# Altium PCB PCB_3U_CLK_DIST.PCBDOC (part 2 of 2)
Units mm, origin at the board's own origin, x right, y up, seen from the top; angles counter-clockwise.
Board outline 64.4 x 100 mm, 4 copper layers (Top, MP(G), L3, Bot), stack 1.624 mm thick; 183 components, 102 nets, 582 pads, 232 vias.
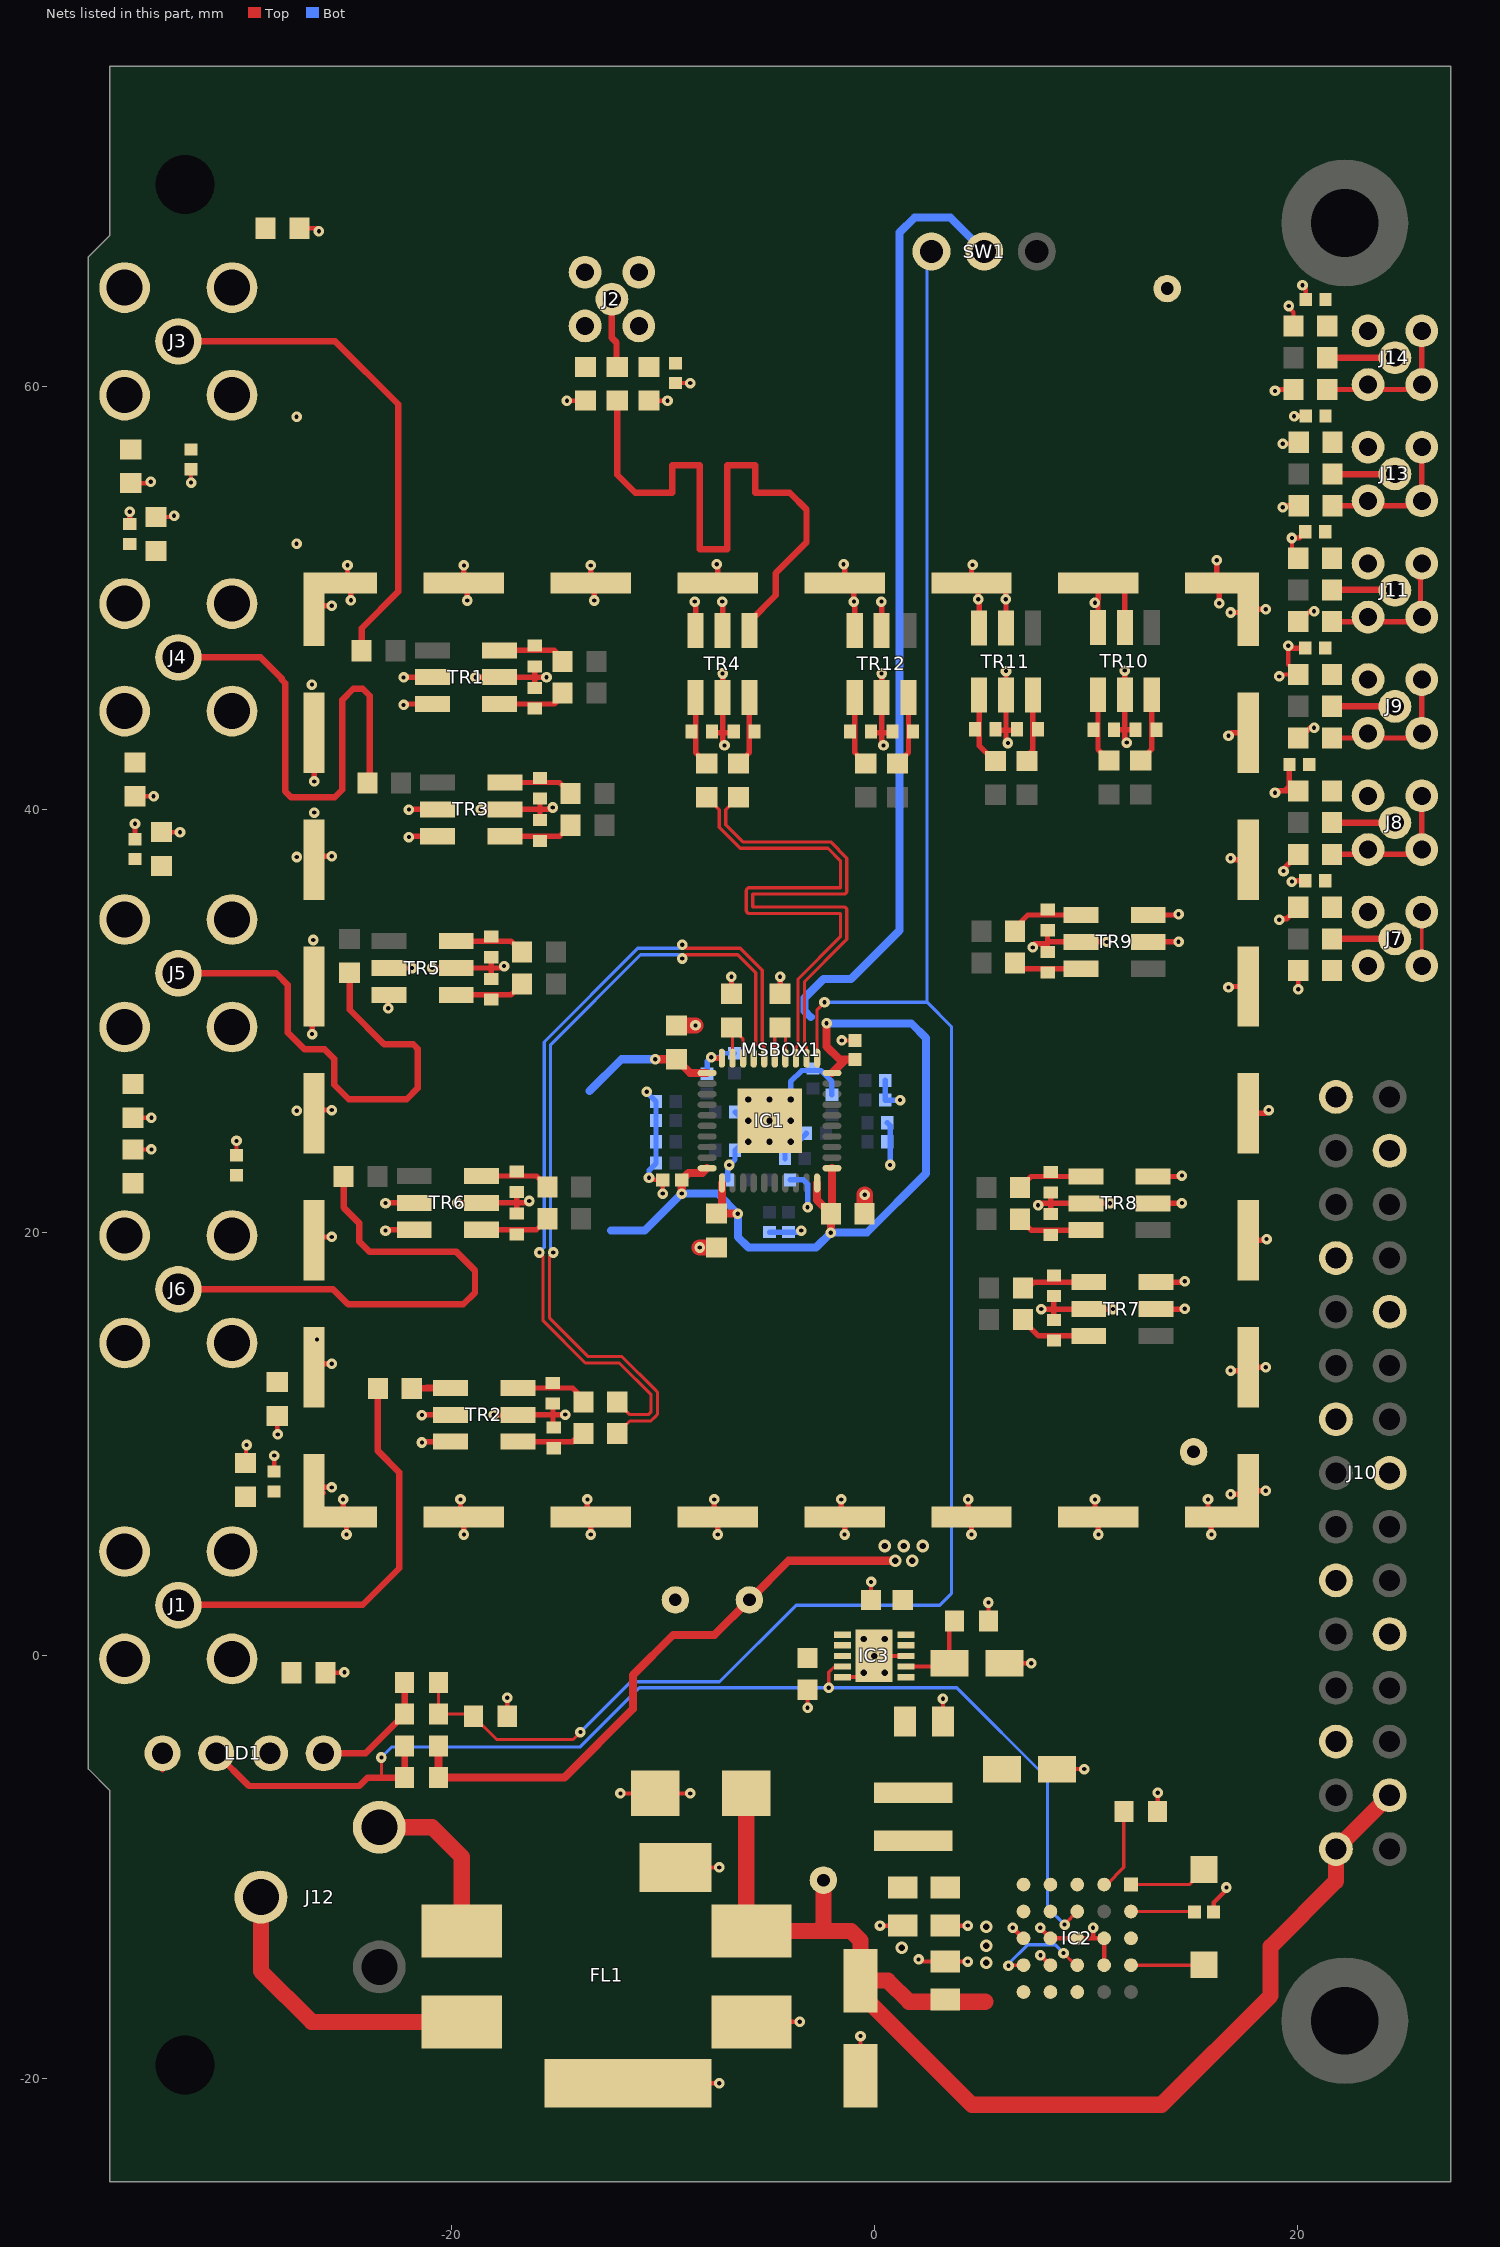
[diagram p4: the nets of this part, all layers, seen from the top]

## Via types
v1: diameter 0.5, hole 0.2, Top to Bot, tented both sides, 209 vias
v2: diameter 0.6, hole 0.3, Top to Bot, tented both sides, 23 vias

## Nets (pads, with @x,y where several pads share a name; then routed paths per layer and width w, separated by ;. In a path a pad name is that pad's centre, name@x,y a point inside that pad or via, vN(x,y) a via of type N, cw(c..) or ccw(c..) an arc to the next point about the centre after c; other vN are vias at no path point) (continued)
GND: B1.1 B2.1 B3.1 C3.1 C4.2 C6.2 C7.2 C10.2 C12.1 C13.2 C14.1 C16.2 C17.2 C19.2 C21.1 C23.1 C24.2 C26.2 C27.1 C28.1 C30.1 C32.2 C33.2 C35.1 C36.1 C39.2 C40.2 C42.1 C43.1 C44.1 C45.1 C46.1 C47.1 C48.1 C49.2 C52.1 C53.2 C56.2 C57.1 C58.1 C61.2 C62.2 C64.1 C65.1 C68.2 C69.1 C70.1 C71.1 C72.2 C73.1 C75.2 C77.1 C79.1 C80.1 C81.2 C83.2 C85.2 C86.1 C87.2 C88.1 C89.1 C92.2 C93.2 C95.1 C96.1 C99.2 C100.1 C101.2 D1.2 FL1.4 IC1.10 IC1.41 IC2.B3 IC2.B4 IC2.C3 IC2.D3 IC2.D4 IC2.E3 IC3.5 IC3.8 IC3.11 J10.1 J10.4 J10.7 J10.10 J10.13 J10.16 J10.19 J10.22 J10.25 LD1.1 LD1.3 MSBOX1.1 MSBOX1.2 MSBOX1.3 MSBOX1.4 MSBOX1.5 MSBOX1.6 MSBOX1.7 MSBOX1.8 MSBOX1.9 MSBOX1.10 MSBOX1.11 MSBOX1.12 MSBOX1.13 MSBOX1.14 MSBOX1.15 MSBOX1.16 MSBOX1.17 MSBOX1.18 MSBOX1.19 MSBOX1.20 MSBOX1.21 MSBOX1.22 MSBOX1.23 MSBOX1.24 MSBOX1.25 MSBOX1.26 MSBOX1.27 MSBOX1.28 R1.1 R2.1 R3.2 R4.2 R5.2 R6.2 R7.2 R8.2 R9.2 R11.2 R12.2 R14.1 R15.2 R17.2 R19.2 R20.2 R21.1 R22.2 R23.2 R24.2 R25.2 R26.1 R27.2 R28.2 R29.2 R30.1 R31.2 R32.1 R33.1 R34.1 R35.2 R36.1 R37.1 R38.1 R39.2 TR1.1 TR1.2 TR1.5 TR2.1 TR2.2 TR2.5 TR3.1 TR3.2 TR3.5 TR4.1 TR4.2 TR4.5 TR5.1 TR5.2 TR5.5 TR6.1 TR6.2 TR6.5 TR7.1 TR7.2 TR7.5 TR8.1 TR8.2 TR8.5 TR9.1 TR9.2 TR9.5 TR10.1 TR10.2 TR10.5 TR11.1 TR11.2 TR11.5 TR12.1 TR12.2 TR12.5 | length 239.9
  Top w0.203: C26.2@-35.15,55.448 -34.265,55.448 v1(-34.2,55.512) ; C52.1@-35.05,23.948 -34.396,23.948 v1(-34.172,23.948) ; C39.2@-35.05,25.448 v1(-34.172,25.448) ; C36.1@-34.95,40.648 -34.296,40.648 v1(-34.072,40.648) ; C33.2@-33.949,53.848 -33.296,53.848 -33.231,53.912 v1(-33.1,53.912) ; C47.1@-33.7,38.948 -33.046,38.948 v1(-32.822,38.948) ; LD1.1@-33.65,-5.415 LD1.1@-33.65,-4.69 ; v1(-32.3,55.475) R14.1@-32.3,56.105 ; R30.1@-30.15,23.67 v1(-30.15,24.35) ; C4.2@-29.705,9.365 v1@-29.705,9.821 ; R1.1@-28.37,8.595 -28.37,9.248 v1(-28.37,9.472) ; C49.2@-28.225,11.35 -28.225,10.5 v1(-28.2,10.475) ; C30.1@-27.175,67.5 -26.393,67.5 v1(-26.256,67.363) ; MSBOX1.7@-26.35,14.088 -26.35,14.741 v1(-26.35,14.965) ; MSBOX1.8@-26.18,7.555 -26.026,7.71 MSBOX1.8@-26.15,7.71 ; C7.2@-25.95,-0.797 -25.072,-0.797 v1(-25.05,-0.775) ; R6.2@-17.35,-2.85 -17.35,-2.196 v1(-17.35,-1.972) ; v1(-14.527,59.35) -14.303,59.35 C17.2@-13.65,59.35 ; v1(-12,-6.5) D1.2@-10.35,-6.5 v1(-8.7,-6.5) ; FL1.4@-11.65,-20.2 -7.546,-20.2 v1(-7.323,-20.2) ; v1(-10.65,22.61) -10.55,22.51 C46.1@-10,22.51 v1(-10,21.86) ; C13.2@-10.65,59.35 -9.996,59.35 v1(-9.773,59.35) ; FL1.4@-9.4,-10 -7.546,-10 v1(-7.323,-10) ; R2.1@-9.4,60.18 v1(-8.701,60.18) v1@-8.692,60.19 ; FL1.4@-5.8,-17.3 -3.746,-17.3 v1(-3.523,-17.3) ; v1(-3.15,-2.452) -3.15,-2.228 C99.2@-3.15,-1.6 ; v1(-1.54,29.1) C42.1@-0.9,29.1 ; IC3.5@-1.5,-1 -0.4,-1 0,-0.6 v2(0,0) IC3.8@1.5,0 ; C87.2@-0.65,-19.85 -0.65,-18.196 v1(-0.65,-17.973) ; C100.1@-0.15,2.65 -0.15,3.279 v1(-0.15,3.503) ; v1(0.273,-12.75) 0.497,-12.75 C71.1@1.35,-12.75 ; v1(2.1,-14.35) 2.2,-14.45 C69.1@3.35,-14.45 4.204,-14.45 v1(4.427,-14.45) ; C86.1@3.25,-3.1 3.25,-2.246 v1(3.25,-2.022) ; C70.1@3.35,-12.75 4.204,-12.75 v1(4.427,-12.75) ; R39.2@5.4,1.65 5.4,2.304 v1(5.4,2.528) ; C101.2@6.15,-0.35 7.204,-0.35 v1(7.427,-0.35) ; v1(6.55,-12.85) 7.05,-13.35 IC2.E3@7.06,-13.35 ; v1(7.85,-12.85) 7.85,-12.87 IC2.D3@8.33,-13.35 IC2.C3@9.6,-13.35 10.35,-13.35 ; v1(7.86,-14.15) IC2.D4@8.33,-14.62 ; C85.2@8.65,-5.35 9.704,-5.35 v1(9.927,-5.35) ; v1(10.35,-12.85) 10.35,-13.35 ; IC2.B4@10.87,-14.62 10.72,-14.62 10.87,-14.47 IC2.B3@10.87,-13.35 10.35,-13.35 ; R35.2@13.4,-7.35 13.4,-6.696 v1(13.4,-6.473) ; C80.1@16.05,-12.1 16.05,-11.654 16.65,-11.054 v1(16.65,-10.95) ; v1(19.15,46.31) 19.241,46.4 C73.1@20.05,46.4 19.578,46.873 v1(19.578,47.757) ; v1(19.32,57.31) 19.925,57.31 20.033,57.418 C83.2@20.356,57.741 ; v1(19.6,63.827) 19.6,63.754 19.82,63.534 C95.1@19.82,62.88 ; v1(19.75,52.857) 19.75,52.2 C79.1@20.05,51.9 ; v1(20.05,31.523) 20.05,31.747 C58.1@20.05,32.4 ; C75.2@20.05,48.9 20.1,48.9 20.589,49.389 v1(20.798,49.389) ; v1(20.25,64.81) 20.4,64.66 R38.1@20.4,64.13
  Top w0.254: R21.1@-35.199,53.518 v1(-35.199,54.098) ; R26.1@-34.95,38.618 v1(-34.95,39.348) ; v1(-26.575,29.4) -26.575,31.42 MSBOX1.4@-26.325,31.67 ; v1(-26.475,41.35) -26.475,43.66 MSBOX1.2@-26.325,43.81 ; MSBOX1.8@-26.325,7.968 v1(-25.65,7.968) ; MSBOX1.7@-26.325,13.81 v1(-25.65,13.81) ; MSBOX1.6@-26.325,19.81 v1(-25.65,19.81) ; MSBOX1.5@-26.325,25.81 v1(-25.65,25.81) ; MSBOX1.3@-26.325,37.81 v1(-25.65,37.81) ; MSBOX1.1@-26.325,49.653 v1(-25.65,49.653) ; v1(-25.109,7.401) -25.109,6.725 -24.95,6.565 v1(-24.95,5.741) ; v1(-24.902,51.571) -24.902,50.895 MSBOX1.1@-24.742,50.735 v1(-24.742,49.911) ; v1(-23.105,20.11) -23.065,20.15 TR6.1@-21.745,20.15 ; v1(-23.105,21.41) -23.095,21.42 TR6.2@-21.745,21.42 ; v1(-22.975,30.62) -22.975,31.29 TR5.1@-22.94,31.255 ; TR5.2@-22.94,32.525 v1(-21.85,32.525) ; v1(-22.25,44.965) -22.21,45.005 TR1.1@-20.89,45.005 ; v1(-22.25,46.265) -22.24,46.275 TR1.2@-20.89,46.275 ; v1(-22,38.715) -21.96,38.755 TR3.1@-20.64,38.755 ; v1(-22,40.015) -21.99,40.025 TR3.2@-20.64,40.025 ; v1(-21.385,10.09) -21.345,10.13 TR2.1@-20.025,10.13 ; v1(-21.385,11.39) -21.375,11.4 TR2.2@-20.025,11.4 ; v1(-20.9,32.525) -18.1,32.525 ; v1(-19.705,21.42) TR6.5@-18.565,21.42 -16.905,21.42 ; v1(-19.559,7.401) -19.559,6.725 MSBOX1.9@-19.4,6.565 v1(-19.4,5.741) ; v1(-19.4,51.56) MSBOX1.28@-19.4,50.735 -19.24,50.576 v1(-19.24,49.9) ; v1(-18.85,46.275) TR1.5@-17.71,46.275 -16.05,46.275 ; v1(-18.6,40.025) -15.8,40.025 ; C27.1@-18.1,32.015 -18.1,32.525 ; C24.2@-18.1,33.035 -18.1,32.525 ; v1(-17.985,11.4) -15.185,11.4 ; v1(-17.5,32.615) -17.49,32.615 -17.4,32.525 -18.1,32.525 ; C35.1@-16.905,20.91 -16.905,21.42 ; C32.2@-16.905,21.93 -16.905,21.42 ; v1(-16.305,21.51) -16.295,21.51 -16.205,21.42 -16.905,21.42 ; C14.1@-16.05,45.765 -16.05,46.275 ; C10.2@-16.05,46.785 -16.05,46.275 ; C21.1@-15.8,39.515 -15.8,40.025 ; C19.2@-15.8,40.535 -15.8,40.025 ; v1@-15.44,46.365 -15.493,46.312 v1(-15.493,46.275) -16.05,46.275 ; v1(-15.2,40.115) -15.19,40.115 -15.1,40.025 -15.8,40.025 ; C3.1@-15.185,10.89 -15.185,11.4 ; C6.2@-15.185,11.91 -15.185,11.4 ; v1(-14.606,11.409) -14.606,11.459 -14.575,11.49 -14.485,11.4 -15.185,11.4 ; v1(-13.559,7.401) -13.559,6.725 MSBOX1.10@-13.4,6.565 v1(-13.4,5.741) ; v1(-13.4,51.56) MSBOX1.27@-13.4,50.735 -13.24,50.576 v1(-13.24,49.9) ; v1(-8.479,49.851) -8.44,49.811 TR4.1@-8.44,48.49 ; v1(-7.7,28.31) -7.65,28.26 IC1.10@-7.2,28.26 ; C12.1@-7.68,43.65 -7.17,43.65 ; v1(-7.559,7.401) -7.559,6.725 MSBOX1.11@-7.4,6.565 v1(-7.4,5.741) ; v1(-7.45,51.61) -7.4,51.56 MSBOX1.26@-7.4,50.735 ; v1(-7.179,49.851) -7.17,49.841 TR4.2@-7.17,48.49 ; v1(-7.17,46.451) -7.17,43.65 ; v1(-7.079,43.051) -7.079,43.041 -7.17,42.95 -7.17,43.65 ; C28.1@-6.75,31.31 v1(-6.75,32.11) ; C16.2@-6.66,43.65 -7.17,43.65 ; C23.1@-4.45,31.31 v1(-4.45,32.11) ; v1(-1.559,7.401) -1.559,6.725 MSBOX1.12@-1.4,6.565 v1(-1.4,5.741) ; v1(-1.45,51.61) -1.4,51.56 MSBOX1.25@-1.4,50.735 -0.959,50.295 v1(-0.959,49.851) -0.92,49.811 TR12.1@-0.92,48.49 ; C96.1@-0.16,43.65 0.35,43.65 ; v1(0.341,49.851) 0.35,49.841 TR12.2@0.35,48.49 ; v1(0.35,46.451) 0.35,43.65 ; v1(0.441,43.051) 0.441,43.041 0.35,42.95 0.35,43.65 ; C93.2@0.86,43.65 0.35,43.65 ; v1(4.441,7.401) 4.441,6.725 MSBOX1.13@4.6,6.565 v1(4.6,5.741) ; v1(4.65,51.585) 4.6,51.535 MSBOX1.24@4.6,50.735 ; TR11.1@4.96,48.605 4.96,49.926 v1(4.921,49.966) 4.921,50.415 MSBOX1.24@4.6,50.735 ; C88.1@5.72,43.765 6.23,43.765 ; v1(6.23,46.566) 6.23,43.765 ; TR11.2@6.23,48.605 6.23,49.956 v1(6.221,49.966) 6.221,50.54 6.025,50.735 MSBOX1.24@4.6,50.735 ; v1(6.321,43.166) 6.321,43.156 6.23,43.065 6.23,43.765 ; C81.2@6.74,43.765 6.23,43.765 ; v1(7.5,33.5) 7.581,33.581 7.581,33.67 8.19,33.67 C62.2@8.19,33.25 ; v1(7.75,21.31) 7.741,21.31 7.65,21.4 8.35,21.4 ; v1(7.9,16.4) 7.9,16.335 7.876,16.31 7.785,16.4 8.485,16.4 ; C65.1@8.19,34.27 8.19,33.76 v1(10.991,33.76) ; C53.2@8.35,20.89 8.35,21.4 ; C57.1@8.35,21.91 8.35,21.4 ; C40.2@8.485,15.89 8.485,16.4 ; C48.1@8.485,16.91 8.485,16.4 ; v1(10.435,49.8) v1@10.58,49.946 ; v1(10.441,7.401) 10.441,6.725 MSBOX1.14@10.6,6.565 v1(10.6,5.741) ; TR10.1@10.58,48.625 v1@10.58,49.946 ; v1(11.15,21.4) TR8.5@10.01,21.4 8.35,21.4 ; v1(11.285,16.4) TR7.5@10.145,16.4 8.485,16.4 ; C77.1@11.34,43.785 11.85,43.785 ; v1(11.85,46.586) TR10.5@11.85,45.445 11.85,43.785 ; TR10.2@11.85,48.625 11.85,50.45 11.565,50.735 MSBOX1.23@10.6,50.735 10.6,49.966 v1@10.58,49.946 ; v1(11.941,43.186) 11.941,43.176 11.85,43.085 11.85,43.785 ; C72.2@12.36,43.785 11.85,43.785 ; TR9.2@13.03,33.76 14.381,33.76 v1(14.391,33.77) ; TR9.1@13.03,35.03 14.351,35.03 v1(14.391,35.07) ; TR8.2@13.19,21.4 14.541,21.4 v1(14.55,21.41) ; TR8.1@13.19,22.67 14.511,22.67 v1(14.55,22.71) ; TR7.2@13.325,16.4 14.676,16.4 v1(14.685,16.41) ; TR7.1@13.325,17.67 14.646,17.67 v1(14.685,17.71) ; v1(15.783,7.401) 15.783,6.725 MSBOX1.15@15.943,6.565 v1(15.943,5.741) ; v1(16.2,51.8) 16.2,50.66 16.15,50.61 16.31,50.45 v1(16.31,49.775) ; v1(16.75,31.61) 16.791,31.65 MSBOX1.19@17.685,31.65 ; v1(16.75,43.51) 16.891,43.65 MSBOX1.21@17.685,43.65 ; v1(16.85,7.648) 17.526,7.648 MSBOX1.15@17.685,7.808 v1(18.51,7.808) ; v1(16.85,13.491) 17.526,13.491 MSBOX1.16@17.685,13.65 v1(18.51,13.65) ; v1(16.85,37.71) 16.91,37.65 MSBOX1.20@17.685,37.65 ; v1(16.85,49.333) 17.526,49.333 MSBOX1.22@17.685,49.493 v1(18.51,49.493) ; MSBOX1.17@17.685,19.65 18.491,19.65 v1(18.55,19.71) ; MSBOX1.18@17.685,25.65 18.491,25.65 v1(18.65,25.81) ; v1(18.95,40.81) 19.041,40.9 19.39,40.9 ; v1(18.95,59.81) 19.021,59.88 C92.2@19.82,59.88 ; v1(19.15,34.81) 19.201,34.861 19.511,34.861 C56.2@20.05,35.4 ; v1(19.32,54.31) 19.39,54.38 C89.1@20.07,54.38 ; v1(19.35,37.11) 19.35,37.201 C61.2@20.05,37.9 ; v1(19.578,47.757) 19.685,47.65 R34.1@20.38,47.65 ; R33.1@19.63,42.15 19.63,41.14 19.39,40.9 ; v1(19.75,36.61) 19.791,36.65 R32.1@20.38,36.65 ; v1(19.75,52.857) 20.087,52.857 R36.1@20.38,53.15 ; v1(19.85,58.61) 19.871,58.63 R37.1@20.4,58.63 ; C64.1@20.05,40.9 19.39,40.9 ; C68.2@20.05,43.4 20.136,43.4 20.624,43.889 v1(20.798,43.889)
  Top w0.762: C45.1@-9.35,29.81 v1(-8.45,29.81) ; v1(-8.25,19.31) C43.1@-7.45,19.31 ; C44.1@-0.45,20.91 v1(-0.45,21.81)
  Bot w0.203: v1(-7.7,28.31) -7.335,28.31 -7.15,28.495 R31.2@-6.6,28.495
  Bot w0.254: v1(-10.76,26.67) -10.76,26.65 R28.2@-10.32,26.21 R27.2@-10.32,25.31 R23.2@-10.32,24.31 R22.2@-10.32,23.31 -10.32,23.29 -10.65,22.96 v1(-10.65,22.61) ; R29.2@-7.9,27.53 -7.9,28.11 v1(-7.7,28.31) ; R20.2@-6.92,22.51 -6.92,23.14 v1(-6.85,23.21) -6.58,23.48 R24.2@-6.58,23.91 -6.18,24.31 v2(-5.95,24.31) ; R25.2@-6.35,25.71 R25.2@-6.58,25.71 -6.18,25.31 v2(-5.95,25.31) ; R17.2@-4.95,20.04 R15.2@-4.05,20.04 -3.52,20.04 v1(-3.45,20.11) ; R12.2@-4.22,23.51 -4.22,24.04 v2(-3.95,24.31) -3.59,24.31 -3.22,24.68 R11.2@-3.22,24.71 ; R19.2@-3.98,22.51 -3.349,22.51 -3.15,22.31 v1(-3.15,21.21) ; v2(-3.95,26.31) -3.95,27.15 -3.42,27.68 -2.52,27.68 -2,27.16 R7.2@-2,26.53 ; R3.2@0.52,27.21 R4.2@0.52,26.282 v1(1.222,26.282) ; R8.2@0.62,25.21 0.75,25.08 v1(0.75,23.21)
  other v1: -29.675,9.975 -27.3,25.775 -26.525,33.85 -27.3,37.775 -26.475,39.875 -26.585,45.925 -27.309,52.588 -27.309,58.588
  other v2: 5.3,-14.5 1.3,-13.8 5.3,-13.7 5.3,-12.8 -0.5,-0.8 0.5,-0.8 -0.5,0.8 0.5,0.8 -4.95,24.31 -4.95,25.31 -3.95,25.31 -5.95,26.31 -4.95,26.31
GND0: C26.1 C30.2 J3.2 R14.2
GND1: C33.1 C36.2 J4.2 R21.2
GND2: C39.1 C47.2 J5.2 R26.2
GND3: C49.1 C52.2 J6.2 R30.2
GND4: C56.1 C58.2 J7.2 R32.2 | length 2.5
  Top w0.152: J7.2@25.89,32.63 J7.2@25.89,35.17
GND5: C61.1 C64.2 J8.2 R33.2 | length 6.9
  Top w0.254: C61.1@21.65,37.9 25.664,37.9 J8.2@25.89,38.126 J8.2@25.89,40.666
GND6: C68.1 C73.2 J9.2 R34.2 | length 6.9
  Top w0.254: C68.1@21.65,43.4 25.668,43.4 J9.2@25.89,43.622 J9.2@25.89,46.162
GND7: C75.1 C79.2 J11.2 R36.2 | length 7
  Top w0.254: C75.1@21.65,48.9 25.672,48.9 25.827,49.055 25.827,50.988 25.728,50.988 25.89,51.15 J11.2@25.89,51.658
GND8: C83.1 C89.2 J13.2 R37.2 | length 6.9
  Top w0.254: C89.2@21.67,54.38 25.656,54.38 J13.2@25.89,54.614 J13.2@25.89,57.154
GND9: C92.1 C95.2 J14.2 R38.2 | length 7.1
  Top w0.254: C92.1@21.42,59.88 25.66,59.88 J14.2@25.89,60.11 J14.2@25.89,62.65
GND10: C4.1 C7.1 J1.2 R1.2
GND11: C13.1 C17.1 J2.2 R2.2
IN_CLK0_N: C9.2 IC1.3 | length 27
  Top w0.152: C9.2@-7.92,40.6 -7.322,40.003 -7.322,39.174 -6.333,38.184 -2.184,38.184 -1.6,37.6 -1.6,36.324 -5.896,36.324 ccw(c-5.896,36.172) -6.048,36.172 -6.048,35.257 ccw(c-5.896,35.257) -5.896,35.105 -1.6,35.105 -1.6,34 -3.602,31.998 -3.602,28.884 -3.7,28.787 IC1.3@-3.7,28.26
IN_CLK0_P: C15.2 IC1.2 | length 27
  Top w0.152: C15.2@-6.42,40.6 -7.017,40.003 -7.017,39.3 -6.206,38.489 -2.058,38.489 -1.969,38.4 -1.384,37.816 -1.295,37.726 -1.295,36.172 cw(c-1.448,36.172) -1.448,36.019 -5.743,36.019 -5.743,35.41 -1.448,35.41 cw(c-1.448,35.257) -1.295,35.257 -1.295,33.874 -1.384,33.784 -3.297,31.872 -3.297,28.884 -3.2,28.787 IC1.2@-3.2,28.26
IN_CLK1_N: C2.2 IC1.7 | length 39
  Top w0.152: v1(-15.175,19.075) -15.349,18.901 -15.349,15.975 -13.529,14.155 -11.924,14.155 -10.334,12.566 -10.245,12.476 -10.245,11.424 -10.334,11.334 -10.561,11.108 -11.552,11.108 C2.2@-12.15,10.51 ; v1(-9.075,32.976) -8.901,33.15 -6.452,33.15 -5.602,32.3 -5.602,28.884 -5.7,28.787 IC1.7@-5.7,28.26
  Bot w0.152: v1(-15.175,19.075) -15.3,19.2 -15.3,28.9 -11.05,33.15 -9.249,33.15 v1(-9.075,32.976)
IN_CLK1_P: C5.2 IC1.6 | length 39.5
  Top w0.152: v1(-15.827,19.075) -15.654,18.901 -15.654,15.849 -13.655,13.85 -12.05,13.85 -10.55,12.35 -10.55,11.55 -10.688,11.412 -11.552,11.412 C5.2@-12.15,12.01 ; v1(-9.075,33.629) -8.901,33.455 -6.326,33.455 -5.297,32.426 -5.297,28.884 -5.2,28.787 IC1.6@-5.2,28.26
  Bot w0.152: v1(-15.827,19.075) -15.827,19.099 -15.605,19.322 -15.605,29.026 -11.176,33.455 -9.249,33.455 v1(-9.075,33.629)
INPUT_GND: FL1.3 J12.1 | length 14
  Top w0.762: J12.1@-29,-11.4 -29,-14.9 -26.599,-17.3 FL1.3@-19.5,-17.3
NetC1_1: C1.1 J1.1 | length 20.1
  Top w0.305: J1.1@-32.9,2.425 -24.175,2.425 -22.45,4.15 -22.45,8.675 -23.465,9.69 C1.1@-23.465,12.65
NetC1_2: C1.2 TR2.3 | length 3
  Top w0.305: C1.2@-21.865,12.65 -20.045,12.65 TR2.3@-20.025,12.67 -21.165,12.67
NetC2_1: C2.1 C3.2 TR2.6 | length 3.3
  Top w0.254: TR2.6@-16.845,10.13 -14.255,10.13 C2.1@-13.735,10.65
NetC5_1: C5.1 C6.1 TR2.4 | length 3.3
  Top w0.254: TR2.4@-16.845,12.67 -14.255,12.67 C5.1@-13.735,12.15
NetC8_1: C8.1 J2.1 | length 3.3
  Top w0.305: J2.1@-12.4,64.151 -12.4,62.316 -12.184,62.1 -12.184,60.985 C8.1@-12.15,60.95
NetC8_2: C8.2 TR4.3 | length 30.5
  Top w0.305: C8.2@-12.15,59.35 -12.15,55.85 -11.3,55 -9.548,55 -9.548,56.295 -8.243,56.295 -8.243,52.318 -6.938,52.318 -6.938,56.295 -5.633,56.295 -5.633,55 -4,55 -3.2,54.2 -3.2,52.65 -4.65,51.2 -4.65,50.15 -5.9,48.9 TR4.3@-5.9,48.49
NetC9_1: C9.1 C12.2 TR4.6 | length 3.3
  Top w0.254: TR4.6@-8.44,45.31 -8.44,42.72 C9.1@-7.92,42.2
NetC10_1: C10.1 C11.1 TR1.4 | length 3.3
  Top w0.254: TR1.4@-17.71,47.545 -15.12,47.545 C11.1@-14.6,47.025
NetC14_2: C14.2 C18.1 TR1.6 | length 3.3
  Top w0.254: TR1.6@-17.71,45.005 -15.12,45.005 C18.1@-14.6,45.525
NetC15_1: C15.1 C16.1 TR4.4 | length 3.3
  Top w0.254: C15.1@-6.42,42.2 -5.9,42.72 TR4.4@-5.9,45.31
NetC19_1: C19.1 C20.1 TR3.4 | length 3.3
  Top w0.254: TR3.4@-17.46,41.295 -14.87,41.295 C20.1@-14.35,40.775
NetC21_2: C21.2 C22.1 TR3.6 | length 3.3
  Top w0.254: TR3.6@-17.46,38.755 -14.87,38.755 C22.1@-14.35,39.275
NetC23_2: C23.2 IC1.4 IC1.5 | length 3.1
  Top w0.152: IC1.5@-4.7,28.26 -4.7,29.46 C23.2@-4.45,29.71 -4.2,29.46 IC1.4@-4.2,28.26
NetC24_1: C24.1 C25.1 TR5.4 | length 3.3
  Top w0.254: TR5.4@-19.76,33.795 -17.17,33.795 C25.1@-16.65,33.275
NetC27_2: C27.2 C29.1 TR5.6 | length 3.3
  Top w0.254: TR5.6@-19.76,31.255 -17.17,31.255 C29.1@-16.65,31.775
NetC28_2: C28.2 IC1.8 IC1.9 | length 3.1
  Top w0.152: C28.2@-6.75,29.71 C28.2@-6.7,29.66 ; IC1.9@-6.7,28.26 C28.2@-6.7,29.66 ; IC1.8@-6.2,28.26 -6.2,29.16 C28.2@-6.7,29.66
NetC31_1: C31.1 J3.1 | length 24
  Top w0.305: J3.1@-32.9,62.15 -25.475,62.15 -22.5,59.175 -22.5,50.325 -24.235,48.59 C31.1@-24.235,47.525
NetC32_1: C32.1 C34.1 TR6.4 | length 3.3
  Top w0.254: TR6.4@-18.565,22.69 -15.975,22.69 C34.1@-15.455,22.17
NetC35_2: C35.2 C37.1 TR6.6 | length 3.3
  Top w0.254: TR6.6@-18.565,20.15 -15.975,20.15 C37.1@-15.455,20.67
NetC38_1: C38.1 J4.1 | length 23.7
  Top w0.305: J4.1@-32.9,47.213 -29.015,47.213 -28.017,46.215 -28.017,46.155 -27.85,45.988 -27.85,40.875 -27.575,40.6 -25.5,40.6 -25.15,40.95 -25.15,45.2 -24.625,45.725 -24.175,45.725 -23.85,45.4 -23.85,41.39 C38.1@-23.965,41.275
NetC40_1: C40.1 C41.1 TR7.4 | length 3.3
  Top w0.254: C41.1@7.035,15.65 7.25,15.65 7.77,15.13 TR7.4@10.145,15.13
NetC48_2: C48.2 C51.1 TR7.6 | length 3.3
  Top w0.254: C51.1@7.035,17.15 7.555,17.67 TR7.6@10.145,17.67
NetC50_1: C50.1 J5.1 | length 23.6
  Top w0.305: J5.1@-32.9,32.275 -28.275,32.275 -27.725,31.725 -27.725,29.475 -26.925,28.675 -25.975,28.675 -25.525,28.225 -25.525,27 -24.85,26.325 -22.1,26.325 -21.575,26.85 -21.575,28.7 -21.8,28.925 -23.175,28.925 -24.8,30.55 C50.1@-24.8,32.3
NetC53_1: C53.1 C54.1 TR8.4 | length 3.3
  Top w0.254: C54.1@6.9,20.65 7.42,20.13 TR8.4@10.01,20.13
NetC55_1: C55.1 J6.1 | length 25
  Top w0.305: J6.1@-32.9,17.338 -25.588,17.338 -24.875,16.625 -19.425,16.625 -18.875,17.175 -18.875,18.225 -19.75,19.1 -23.855,19.1 -24.355,19.6 -24.355,20.47 -25.09,21.205 C55.1@-25.09,22.67
NetC57_2: C57.2 C59.1 TR8.6 | length 3.3
  Top w0.254: C59.1@6.9,22.15 7.42,22.67 TR8.6@10.01,22.67
NetC60_1: C60.1 J7.1 | length 3
  Top w0.305: C60.1@21.65,33.9 J7.1@24.6,33.9
NetC62_1: C62.1 C63.1 TR9.4 | length 3.6
  Top w0.254: C63.1@6.74,33.01 6.74,32.49 TR9.4@9.85,32.49
NetC65_2: C65.2 C66.1 TR9.6 | length 3.3
  Top w0.254: C66.1@6.74,34.51 7.26,35.03 TR9.6@9.85,35.03
NetC67_1: C67.1 J8.1 | length 2.9
  Top w0.305: C67.1@21.65,39.4 J8.1@24.6,39.4
NetC70_2: C70.2 C71.2 IC2.C1 IC2.D1 IC2.D2 IC2.E1 IC2.E2 L1.2
NetC72_1: C72.1 C74.1 TR10.4 | length 3.3
  Top w0.254: C74.1@12.6,42.335 13.12,42.855 TR10.4@13.12,45.445
NetC76_1: C76.1 J9.1 | length 3
  Top w0.305: C76.1@21.65,44.9 J9.1@24.6,44.9
NetC77_2: C77.2 C78.1 TR10.6 | length 3.3
  Top w0.254: TR10.6@10.58,45.445 10.58,42.855 C78.1@11.1,42.335
NetC80_2: C80.2 IC2.A2 | length 3
  Top w0.152: IC2.A2@12.14,-12.08 15.13,-12.08 C80.2@15.15,-12.1
NetC81_1: C81.1 C84.1 TR11.4 | length 3.3
  Top w0.254: C84.1@6.98,42.315 7.5,42.835 TR11.4@7.5,45.425
NetC82_1: C82.1 J11.1 | length 3
  Top w0.305: C82.1@21.65,50.4 J11.1@24.6,50.4
NetC88_2: C88.2 C90.1 TR11.6 | length 3.3
  Top w0.254: TR11.6@4.96,45.425 4.96,43.04 5.48,42.52 C90.1@5.48,42.315
NetC91_1: C91.1 J13.1 | length 3
  Top w0.305: C91.1@21.67,55.88 J13.1@24.62,55.88
NetC93_1: C93.1 C94.1 TR12.4 | length 3.3
  Top w0.254: C94.1@1.1,42.2 1.62,42.72 TR12.4@1.62,45.31
NetC96_2: C96.2 C98.1 TR12.6 | length 3.3
  Top w0.254: TR12.6@-0.92,45.31 -0.92,42.72 C98.1@-0.4,42.2
NetC97_1: C97.1 J14.1 | length 3.2
  Top w0.305: C97.1@21.42,61.38 J14.1@24.62,61.38
NetC101_1: C101.1 IC3.7 R39.1 | length 4.2
  Top w0.203: IC3.7@1.5,-0.5 3.4,-0.5 C101.1@3.55,-0.35 3.55,1.4 R39.1@3.8,1.65
NetFL1_1: FL1.1 J12.3 | length 8
  Top w0.762: J12.3@-23.4,-8.1 -20.9,-8.1 -19.5,-9.499 FL1.1@-19.5,-13
NetIC1_1: IC1.1 R6.1 R10.2 R13.2 SW1.3 | length 100.8
  Top w0.152: R10.2@-20.6,-1.25 R13.2@-20.6,-2.75 -19.05,-2.75 R6.1@-18.95,-2.85 -17.85,-3.95 -14.239,-3.95 v1(-13.889,-3.6) ; IC1.1@-2.7,28.26 -2.703,28.264 -2.703,30.557 v1(-2.35,30.91)
  Bot w0.152: v1(-13.889,-3.6) -11.51,-1.221 -7.313,-1.221 -3.692,2.4 3.1,2.4 3.65,2.951 3.65,29.76 2.5,30.91 ; v1(-2.35,30.91) 2.5,30.91 ; SW1.3@2.711,66.4 2.5,66.19 2.5,30.91
NetIC2_A1: IC2.A1 TP2.1 | length 3.8
  Top w0.152: IC2.A1@12.14,-10.81 14.89,-10.81 TP2.1@15.6,-10.1
NetIC2_A4: IC2.A4 TP1.1 | length 3.5
  Top w0.152: IC2.A4@12.14,-14.62 15.58,-14.62 TP1.1@15.6,-14.6
NetIC2_B1: IC2.B1 R35.1 | length 3.9
  Top w0.152: IC2.B1@10.87,-10.81 10.99,-10.81 11.8,-10 R35.1@11.8,-7.35
NetIC2_C4: IC2.C4 IC2.E4 | length 4.8
  Top w0.152: v1(6.35,-14.65) 6.38,-14.62 IC2.E4@7.06,-14.62 ; v1(8.95,-14.05) 9.52,-14.62 IC2.C4@9.6,-14.62
  Bot w0.152: v1(6.35,-14.65) 6.35,-14.55 7.25,-13.65 8.55,-13.65 v1(8.95,-14.05)
NetLD1_4: LD1.4 R10.1 R13.1 | length 6.1
  Top w0.305: LD1.4@-26.03,-4.6 -24.05,-4.6 R13.1@-22.2,-2.75 R10.1@-22.2,-1.25
P3V3: B4.1 C42.2 C43.2 C44.2 C45.2 C46.2 C100.2 IC1.11 IC1.20 IC1.21 IC1.30 IC1.31 IC1.40 IC3.9 IC3.10 R16.2 R18.2 SW1.2 | length 122.7
  Top w0.381: R16.2@-20.6,-4.25 R18.2@-20.6,-5.75 -14.65,-5.75 -11.4,-2.5 -11.4,-0.9 -9.5,1 -7.55,1 B4.1@-5.9,2.65 -4.05,4.5 v2(1,4.5) ; v1(-10.35,28.21) C45.2@-9.35,28.21 -8.7,27.56 IC1.11@-7.9,27.56 ; v1(-9.1,21.86) C46.2@-9.1,22.51 -8.777,22.832 -8.128,22.832 IC1.20@-7.9,23.06 ; IC1.21@-7.2,22.36 -7.2,21.16 C43.2@-7.45,20.91 v1(-6.45,20.91) ; IC1.30@-2.7,22.36 -2.7,21.563 -2.05,20.913 C44.2@-2.05,20.91 ; v1(-2.25,29.91) -2.25,28.823 -1.627,28.2 -1.36,28.2 ; v1(-2.05,20.01) C44.2@-2.05,20.91 ; IC1.31@-2,23.06 -2,20.96 C44.2@-2.05,20.91 ; IC1.40@-2,27.56 -1.36,28.2 ; C42.2@-0.9,28.2 -1.36,28.2
  Bot w0.381: -13.454,26.706 -11.95,28.21 v1(-10.35,28.21) ; -12.45,20.11 -10.85,20.11 v1(-9.1,21.86) -7.4,21.86 v1(-6.45,20.91) -6.45,19.81 -5.95,19.31 -2.75,19.31 v1(-2.05,20.01) -0.35,20.01 2.45,22.81 2.45,29.21 1.75,29.91 v1(-2.25,29.91) ; -3,30.2 -3.297,30.497 -3.297,31.103 -2.4,32 -1.1,32 1.2,34.3 1.2,67.294 1.906,68 3.6,68 SW1.2@5.2,66.4
  other v2: 1.8,4.5 0.5,5.2 1.4,5.2 2.3,5.2
P3V6: C85.1 C86.2 C99.1 IC3.1 IC3.2 IC3.3 IC3.6 L1.1
P12V0: B5.1 C69.2 C87.1 D1.1 FL1.2 IC2.A3 IC2.C5 IC2.D5 IC2.E5 J10.28 J10.29 | length 58.8
  Top w0.762: D1.1@-6.05,-6.5 -6.05,-12.749 FL1.2@-5.8,-13 -2.65,-13 ; B5.1@-2.4,-10.6 -2.4,-12.75 -2.65,-13 ; 5.25,-16.35 1.65,-16.35 0.65,-15.35 C87.1@-0.65,-15.35 ; J10.28@24.371,-6.589 J10.29@21.831,-9.129 21.831,-10.653 18.742,-13.742 18.742,-16.058 13.583,-21.217 4.618,-21.217 -0.65,-15.95 C87.1@-0.65,-15.35 ; -2.65,-13 -1.099,-13 -0.65,-13.45 C87.1@-0.65,-15.35
PGOOD: IC2.C2 IC3.4 LD1.2 R16.1 R18.1 | length 56.4
  Top w0.152: -23.3,-5.75 v1(-23.3,-4.8) ; v1(-2.15,-1.5) -2.15,-0.774 -1.876,-0.5 IC3.4@-1.5,-0.5 ; v1(9,-12.7) 9,-12.68 IC2.C2@9.6,-12.08
  Top w0.305: LD1.2@-31.11,-4.6 -29.56,-6.15 -24.35,-6.15 -23.95,-5.75 -23.3,-5.75 R18.1@-22.2,-5.75 R16.1@-22.2,-4.25
  Bot w0.152: v1(-23.3,-4.8) -22.8,-4.3 -13.9,-4.3 -11.1,-1.5 v1(-2.15,-1.5) 3.9,-1.5 8.193,-5.793 8.193,-11.893 v1(9,-12.7)
pads on no net: IC1.22 IC1.23 IC1.28 IC1.29 IC2.A5 IC2.B2 IC2.B5 J10.2 J10.3 J10.5 J10.6 J10.8 J10.9 J10.11 J10.12 J10.14 J10.15 J10.17 J10.18 J10.20 J10.21 J10.23 J10.24 J10.26 J10.27 J10.30 J12.2 SW1.1
copper on no net: | length 2619.8
  Top w0.025: 116.631,-23.451 119.163,-20.919 122.211,-17.871 125.259,-14.823 128.307,-11.775 131.355,-8.727 134.403,-5.679 137.451,-2.631 140.499,0.417 143.547,3.465 145.071,4.989 ; 116.631,-21.927 117.639,-20.919 120.687,-17.871 123.735,-14.823 126.783,-11.775 129.831,-8.727 132.879,-5.679 135.927,-2.631 138.975,0.417 142.023,3.465 145.071,6.513 ; 116.631,-20.403 119.163,-17.871 122.211,-14.823 125.259,-11.775 128.307,-8.727 131.355,-5.679 134.403,-2.631 137.451,0.417 140.499,3.465 143.547,6.513 145.071,8.037 ; 116.631,-18.879 117.639,-17.871 120.687,-14.823 123.735,-11.775 126.783,-8.727 129.831,-5.679 132.879,-2.631 135.927,0.417 138.975,3.465 142.023,6.513 145.071,9.561 ; 116.631,-17.355 119.163,-14.823 122.211,-11.775 125.259,-8.727 128.307,-5.679 131.355,-2.631 134.403,0.417 137.451,3.465 140.499,6.513 143.547,9.561 ; 116.631,-15.831 117.639,-14.823 120.687,-11.775 123.735,-8.727 126.783,-5.679 129.831,-2.631 132.879,0.417 135.927,3.465 138.975,6.513 142.023,9.561 ; 116.631,-14.307 119.163,-11.775 122.211,-8.727 125.259,-5.679 128.307,-2.631 131.355,0.417 134.403,3.465 137.451,6.513 140.499,9.561 ; 116.631,-12.783 117.639,-11.775 120.687,-8.727 123.735,-5.679 126.783,-2.631 129.831,0.417 132.879,3.465 135.927,6.513 138.975,9.561 ; 116.631,-11.259 119.163,-8.727 122.211,-5.679 125.259,-2.631 128.307,0.417 131.355,3.465 134.403,6.513 137.451,9.561 ; 116.631,-9.735 117.639,-8.727 120.687,-5.679 123.735,-2.631 126.783,0.417 129.831,3.465 132.879,6.513 135.927,9.561 ; 116.631,-8.211 119.163,-5.679 122.211,-2.631 125.259,0.417 128.307,3.465 131.355,6.513 134.403,9.561 ; 116.631,-6.687 117.639,-5.679 120.687,-2.631 123.735,0.417 126.783,3.465 129.831,6.513 132.879,9.561 ; 116.631,-5.163 119.163,-2.631 122.211,0.417 125.259,3.465 128.307,6.513 131.355,9.561 ; 116.631,-3.639 117.639,-2.631 120.687,0.417 123.735,3.465 126.783,6.513 129.831,9.561 ; 116.631,-2.115 119.163,0.417 122.211,3.465 125.259,6.513 128.307,9.561 ; 116.631,-0.591 117.639,0.417 120.687,3.465 123.735,6.513 126.783,9.561 ; 116.631,0.933 119.163,3.465 122.211,6.513 125.259,9.561 ; 116.631,2.457 117.639,3.465 120.687,6.513 123.735,9.561 ; 116.631,3.981 119.163,6.513 122.211,9.561 ; 116.631,5.505 117.639,6.513 120.687,9.561 ; 116.631,7.029 119.163,9.561 ; 116.631,8.553 117.639,9.561 ; 117.639,-23.967 120.687,-20.919 123.735,-17.871 126.783,-14.823 129.831,-11.775 132.879,-8.727 135.927,-5.679 138.975,-2.631 142.023,0.417 145.071,3.465 ; 119.163,-23.967 122.211,-20.919 125.259,-17.871 128.307,-14.823 131.355,-11.775 134.403,-8.727 137.451,-5.679 140.499,-2.631 143.547,0.417 145.071,1.941 ; 120.687,-23.967 123.735,-20.919 126.783,-17.871 129.831,-14.823 132.879,-11.775 135.927,-8.727 138.975,-5.679 142.023,-2.631 145.071,0.417 ; 122.211,-23.967 125.259,-20.919 128.307,-17.871 131.355,-14.823 134.403,-11.775 137.451,-8.727 140.499,-5.679 143.547,-2.631 145.071,-1.107 ; 123.735,-23.967 126.783,-20.919 129.831,-17.871 132.879,-14.823 135.927,-11.775 138.975,-8.727 142.023,-5.679 145.071,-2.631 ; 125.259,-23.967 128.307,-20.919 131.355,-17.871 134.403,-14.823 137.451,-11.775 140.499,-8.727 143.547,-5.679 145.071,-4.155 ; 126.783,-23.967 129.831,-20.919 132.879,-17.871 135.927,-14.823 138.975,-11.775 142.023,-8.727 145.071,-5.679 ; 128.307,-23.967 131.355,-20.919 134.403,-17.871 137.451,-14.823 140.499,-11.775 143.547,-8.727 145.071,-7.203 ; 129.831,-23.967 132.879,-20.919 135.927,-17.871 138.975,-14.823 142.023,-11.775 145.071,-8.727 ; 131.355,-23.967 134.403,-20.919 137.451,-17.871 140.499,-14.823 143.547,-11.775 145.071,-10.251 ; 132.879,-23.967 135.927,-20.919 138.975,-17.871 142.023,-14.823 145.071,-11.775 ; 134.403,-23.967 137.451,-20.919 140.499,-17.871 143.547,-14.823 145.071,-13.299 ; 135.927,-23.967 138.975,-20.919 142.023,-17.871 145.071,-14.823 ; 137.451,-23.967 140.499,-20.919 143.547,-17.871 145.071,-16.347 ; 138.975,-23.967 142.023,-20.919 145.071,-17.871 ; 140.499,-23.967 143.547,-20.919 145.071,-19.395 ; 142.023,-23.967 145.071,-20.919 ; 143.547,-23.967 145.071,-22.443
  Top w0.381: 31.309,-20.919 41.721,-20.919 63.813,-20.919 85.651,-20.919 102.157,-20.919 116.631,-20.919 145.071,-20.919 ; 31.309,-17.871 41.721,-17.871 63.813,-17.871 85.651,-17.871 102.157,-17.871 116.631,-17.871 145.071,-17.871 ; 31.309,-14.823 41.721,-14.823 63.813,-14.823 85.651,-14.823 102.157,-14.823 116.631,-14.823 145.071,-14.823 ; 31.309,-11.775 41.721,-11.775 63.813,-11.775 85.651,-11.775 102.157,-11.775 116.631,-11.775 145.071,-11.775 ; 31.309,-8.727 41.721,-8.727 63.813,-8.727 85.651,-8.727 102.157,-8.727 116.631,-8.727 145.071,-8.727 ; 31.309,-5.679 41.721,-5.679 63.813,-5.679 85.651,-5.679 102.157,-5.679 116.631,-5.679 145.071,-5.679 ; 31.309,-2.631 41.721,-2.631 63.813,-2.631 85.651,-2.631 102.157,-2.631 116.631,-2.631 145.071,-2.631 ; 31.309,0.417 41.721,0.417 63.813,0.417 85.651,0.417 102.157,0.417 116.631,0.417 145.071,0.417 ; 31.309,3.465 41.721,3.465 63.813,3.465 85.651,3.465 102.157,3.465 116.631,3.465 145.071,3.465 ; 31.309,6.513 41.721,6.513 63.813,6.513 85.651,6.513 102.157,6.513 116.631,6.513 145.071,6.513 ; 31.309,9.561 145.071,9.561 ; 41.721,12.609 41.721,-23.967 ; 63.813,12.609 63.813,-23.967 ; 85.651,12.609 85.651,-23.967 ; 102.157,12.609 102.157,-23.967 ; 116.631,12.609 116.631,-23.967 ; 41.721,-23.967 31.309,-23.967 31.309,12.609 145.071,12.609 145.071,-23.967 116.631,-23.967 ; 41.721,-23.967 63.813,-23.967 ; 63.813,-23.967 85.651,-23.967 ; 85.651,-23.967 102.157,-23.967 ; 102.157,-23.967 116.631,-23.967

## Polygon pours and split planes (outlines as drawn)
GND on Top "Top-No Net" (solid, remove dead copper, pour order 46): -36.35,75.225 -36.3,75.275 27.025,75.275 27.025,65.4 26.775,65.15 26.725,65.1 19.05,65.1 19.05,62.975 18.475,62.4 18.4,62.475 14.675,62.475 6.55,62.475 3.9,59.825 1.85,57.775 -6.575,57.775 -6.575,66.8 -7.925,68.15 -10.6,68.15 -14.45,68.15 -15.175,67.425 -15.875,66.725 -15.875,64.325 -15.875,57.55 -13.875,55.55 -10.5,52.175 -10.5,50.875 -10.5,49.75 -11.3,48.95 -17.4,48.95 -20.675,48.95 -21.6,49.875 -21.55,49.925 -21.55,52.525 -21.55,52.8 -19.55,54.8 -19.5,54.85 -19.5,58.3 -19.5,58.975 -27.75,67.225 -27.75,68.6 -36,68.6
GND on Top "Top-No Net" (solid, remove dead copper, pour order 44): -37.075,-2.925 -20.575,-2.925 -16.775,0.875 -16.775,4.25 -16.775,5.425 -16.15,6.05 -14.4,7.8 -9.975,7.8 -8.35,7.8 -5.8,10.35 -4.8,11.35 1.375,11.35 2.55,11.35 4.85,13.65 4.925,13.725 14.775,13.725 16.575,13.725 17.825,14.975 18.25,15.4 18.25,22.7 18.25,27.175 19.5,28.425 21.675,30.6 27.05,30.6 27.05,25.675 27.3,25.425 27.35,25.375 27.35,-24.85 -35.9,-24.85 -36.025,-24.725
GND0 on Top "Top-No Net" (solid, remove dead copper, pour order 0): -28.55,63.648 -28.55,60.148 -28.55,58.348 -28.55,57.548 -29.15,56.948 -29.35,56.748 -36.675,56.748 -36.675,68.175 -28.55,68.175
GND1 on Top "Top-No Net" (solid, pour order 2): -36.675,53.248 -28.45,53.248 -28.45,41.248 -36.675,41.248
GND2 on Top "Top-No Net" (solid, pour order 4): -36.569,38.048 -28.45,38.048 -28.45,26.248 -36.664,26.248
GND3 on Top "Top-No Net" (solid, pour order 6): -36.615,23.148 -27.7,23.148 -27.7,12.748 -35.95,12.748 -36.15,12.748 -36.615,12.748
GND4 on Top "Top-No Net" (solid, pour order 8): 20.85,37.15 20.85,31.358 26.35,31.358 26.35,36.91 21.191,36.91 20.95,37.15
GND5 on Top "Top-No Net" (solid, pour order 10): 20.101,42.31 27.25,42.31 27.25,37.01 21.265,37.01 20.85,37.425 20.85,41.375 20.101,42.125 20.101,42.426
GND6 on Top "Top-No Net" (solid, pour order 12): 20.85,48.15 21.29,47.71 27.25,47.71 27.25,42.71 26.85,42.31 21.31,42.31 20.85,42.77 20.85,43.1
GND7 on Top "Top-No Net" (solid, pour order 14): 20.85,53.65 21.191,53.31 27.25,53.31 27.25,48.21 26.85,47.81 20.85,47.81
GND8 on Top "Top-No Net" (solid, pour order 16): 20.87,59.01 27.25,59.01 27.25,53.71 26.95,53.41 20.85,53.41 20.85,58.99
GND9 on Top "Top-No Net" (solid, pour order 18): 20.87,64.63 20.95,64.71 27.25,64.71 27.25,59.11 27.15,59.01 20.65,59.01 20.65,64.39 20.85,64.59
GND10 on Top "Top-No Net" (solid, remove dead copper, pour order 20): -26.75,7.91 -26.75,0.11 -26.75,-2.29 -26.85,-2.39 -27.85,-3.39 -33.65,-3.39 -36.05,-3.39 -36.675,-2.765 -36.675,8.11 -26.95,8.11
GND11 on Top "Top-No Net" (solid, pour order 22): -15.15,60.21 -7.25,60.21 -7.25,66.61 -7.55,66.91 -8.05,67.41 -12.95,67.41 -13.85,67.41 -15.25,66.01 -15.25,60.31
NetC70_2 on Top "Top-No Net" (solid, remove dead copper, pour order 26): -0.15,-11.85 5.35,-11.85 5.85,-12.35 6.25,-12.75 7.65,-12.75 11.05,-12.75 11.45,-12.35 11.45,-11.35 11.45,-10.04 11.45,-7.649 9.15,-7.649 2.85,-7.65 -0.45,-7.65 -0.85,-8.05 -1.15,-8.35 -1.15,-10.65 -1.15,-10.85
P12V0 on Top "Top-No Net" (solid, remove dead copper, pour order 28): 1.85,-15.35 2.15,-15.05 7.15,-15.05 9.15,-15.05 10.35,-13.85 11.55,-12.65 12.85,-12.65 17.05,-12.65 17.65,-13.25 17.65,-14.45 17.65,-15.75 16.95,-16.45 14.15,-19.25 11.35,-19.25 3.95,-19.25 3.15,-18.45 1.85,-17.15 1.85,-15.35
P3V6 on Top "Top-No Net" (solid, pour order 30): -0.65,-7.35 7.05,-7.35 7.55,-6.85 7.65,-6.75 7.65,-4.45 7.65,-4.05 7.25,-3.65 6.65,-3.05 4.25,-3.05 2.6,-3.05 2.35,-2.8 2.35,-0.75 -0.25,-0.75 -0.45,-0.55 -0.75,-0.25 -0.75,1.75 -4.65,1.75 -4.65,-0.85 -4.65,-6.25 -4.05,-6.85 -3.55,-7.35 -0.75,-7.35
P3V3 on Top "Top-No Net" (solid, remove dead copper, pour order 32): 0.8,0 2.4,0 2.7,0.3 3.4,1 3.4,2.3 3.4,5.1 3,5.5 2.9,5.6 0.7,5.6 -0.5,5.6 -1.1,5 -1.3,4.8 -1.3,3.5 -1.3,2.6 -0.7,2 -0.6,1.9 0.4,1.9 0.8,1.5 0.8,0
GND on Top "Top-No Net" (solid, remove dead copper, pour order 36): -0.1,-12.1 5.3,-12.1 5.9,-12.7 6.05,-12.85 7.85,-12.85 10.95,-12.85 11.2,-13.1 11.409,-13.309 11.409,-14.62 11.409,-14.785 11.077,-15.117 9.394,-15.117 0.017,-15.117 -0.4,-14.7 -0.4,-12.6 -0.4,-12.4 -0.1,-12.1
GND on Bot "Top-No Net" (solid, remove dead copper, pour order 42): -36.2,75.1 -36.125,75.175 27.375,75.175 27.375,-24.85 27.3,-24.925 27.225,-24.85 -36.125,-24.85 -36.125,-6.575 -36.15,-6.55 -37.15,-5.55 -37.15,-5.275 -37.15,66.275 -36.2,67.225
P3V3 on Bot "Top-No Net" (solid, remove dead copper, pour order 24): -9.349,29.01 -9.349,27.41 -9.55,27.21 -9.65,27.11 -10.75,27.11 -10.95,27.11 -11.35,26.71 -11.462,26.598 -11.462,25.963 -11.462,22.923 -10.95,22.41 -10.85,22.31 -8.45,22.31 -6.176,22.31 -5.602,21.737 -5.75,21.589 -5.75,20.71 -5.75,19.94 -5.41,19.6 -3.59,19.6 -3.36,19.6 -2.45,20.51 -1.75,21.21 -0.85,21.21 0.05,21.21 1.25,22.41 1.55,22.71 1.55,24.21 1.55,28.16 1.1,28.61 1.06,28.65 -0.625,28.65 -3.039,28.65 -3.35,28.96 -3.35,30.01 -3.35,30.21 -3.05,30.51 -2.95,30.61 -2.15,30.61 2.55,30.61 3.35,29.81 3.45,29.71 3.45,28.61 3.45,20.91 2.65,20.11 2.65,3.829 -0.05,3.829 -0.05,17.41 -5.75,17.41 -12.65,17.41 -13.75,18.51 -14.65,19.41 -14.65,26.81 -14.65,28.11 -13.85,28.91 -12.95,29.81 -11.45,29.81 -10.149,29.81
GND on L3 "Top-No Net" (solid, remove dead copper, pour order 40): -36.225,75.075 27.25,75.075 27.325,75.15 27.25,75.075 27.25,-24.825 -36.175,-24.825 -36.225,-24.775 -36.175,-24.725 -36.175,-6.324 -36.201,-6.324 -37.175,-5.35 -37.175,66.175 -37.125,66.175 -36.15,67.15
GND on MP(G) (split plane): 26.74,-24.339 -35.639,-24.339 -35.639,-6.35 -35.649,-6.25 -35.678,-6.154 -35.725,-6.066 -35.789,-5.989 -36.639,-5.138 -36.639,15.92 -36.639,65.939 -35.789,66.79 -35.725,66.867 -35.678,66.955 -35.649,67.051 -35.639,67.15 -35.639,74.64 26.74,74.64

## Keep-outs
KeepOutLayer:
  lines w0.203: -37.075,-5.424 -37.075,66.175 -36.177,67.073 -30.054,67.073 -30.054,72.4 26.85,72.4 26.85,-21.827 -30.054,-21.827 -30.054,-16.747 -35.228,-16.747 -36.15,-15.825 -36.15,-6.35 -37.075,-5.424

## Other copper
Top:
  text "Layer" at 32.833,10.323 h1.52
  text "Name" at 43.245,10.323 h1.52
  text "Material" at 65.337,10.323 h1.52
  text "Thickness" at 87.175,10.323 h1.52
  text "Constant" at 103.681,10.323 h1.52
  text "Board Layer Stack" at 118.155,10.323 h1.52
  text "1" at 32.833,7.275 h1.52
  text "TopOverlay" at 43.245,7.275 h1.52
  text "2" at 32.833,4.227 h1.52
  text "TopSolder" at 43.245,4.227 h1.52
  text "Solder Resist" at 65.337,4.227 h1.52
  text "0.010mm" at 87.175,4.227 h1.52
  text "3.5" at 103.681,4.227 h1.52
  text "3" at 32.833,1.179 h1.52
  text "Top" at 43.245,1.179 h1.52
  text "Copper" at 65.337,1.179 h1.52
  text "0.056mm" at 87.175,1.179 h1.52
  text "4" at 32.833,-1.869 h1.52
  text "Dielectric1" at 43.245,-1.869 h1.52
  text "FR-4" at 65.337,-1.869 h1.52
  text "0.180mm" at 87.175,-1.869 h1.52
  text "4.8" at 103.681,-1.869 h1.52
  text "5" at 32.833,-4.917 h1.52
  text "MP(G)" at 43.245,-4.917 h1.52
  text "Copper" at 65.337,-4.917 h1.52
  text "0.036mm" at 87.175,-4.917 h1.52
  text "6" at 32.833,-7.965 h1.52
  text "Dielectric 3" at 43.245,-7.965 h1.52
  text "1.080mm" at 87.175,-7.965 h1.52
  text "4.2" at 103.681,-7.965 h1.52
  text "7" at 32.833,-11.013 h1.52
  text "L3" at 43.245,-11.013 h1.52
  text "Copper" at 65.337,-11.013 h1.52
  text "0.036mm" at 87.175,-11.013 h1.52
  text "8" at 32.833,-14.061 h1.52
  text "Dielectric 4" at 43.245,-14.061 h1.52
  text "0.180mm" at 87.175,-14.061 h1.52
  text "4.2" at 103.681,-14.061 h1.52
  text "9" at 32.833,-17.109 h1.52
  text "Bot" at 43.245,-17.109 h1.52
  text "Copper" at 65.337,-17.109 h1.52
  text "0.056mm" at 87.175,-17.109 h1.52
  text "10" at 32.833,-20.157 h1.52
  text "BottomSolder" at 43.245,-20.157 h1.52
  text "Solder Resist" at 65.337,-20.157 h1.52
  text "0.010mm" at 87.175,-20.157 h1.52
  text "3.5" at 103.681,-20.157 h1.52
  text "11" at 32.833,-23.205 h1.52
  text "BottomOverlay" at 43.245,-23.205 h1.52

## Silkscreen, mask and mechanical layers (free items; w line width, h text height)
TopOverlay:
  drawing of 1239 lines, arcs and shapes, not listed
  text "CLK SEL" at 0.6,69.2 h1.52
  text "INT" at -16.7,69.1 h1.52
  text "CLK IN" at -16.6,66.8 h1.52
  text "GND" at 12.6,65.9 h1
  text "9" at 25.423,63.461 h1.52 r90
  text "EXT" at 1.2,62.3 h1.52
  text "INT" at 6.5,62.2 h1.52
  text "OUT0" at -27.975,61.375 h1.52
  text "8" at 25.3,58.1 h1.52 r90
  text "7" at 25.648,52.562 h1.52 r90
  text "OUTPUTS" at 14.4,52.3 h1.52 r90
  text "OUT1" at -32.9,51.737 h1.52
  text "6" at 25.423,46.973 h1.52 r90
  text "5" at 25.3,41.5 h1.52 r90
  text "OUT2" at -32.95,38.337 h1.52
  text "4" at 25.423,35.981 h1.52 r90
  text "GND" at 13.6,11.9 h1
  text "OUT3" at -34.7,10.6 h1.52
  text "GND" at -10.9,3.65 h1
  text "P3V3" at -6.9,3.65 h1
  text "EXT" at -25.925,2.775 h1.52
  text "EEM" at 17.925,0.425 h1 r90
  text "CLK IN" at -26.025,0.275 h1.52
  text "+12V" at -20.5,-8.1 h1.52
  text "P12V0" at -5.65,-9.35 h1
  text "60mA" at -20.8,-10 h1.52
  text "PCB 3U CLK DIST rev1.0" at -25.65,-23.85 h2.03
BottomOverlay:
  text "PCB 3U CLK DIST rev1.0" at 17.35,-23.85 h2.03
Mechanical1:
  lines w0.1: -37.15,45.65 -37.15,59.175 -37.15,66.15 -36.15,67.15 -36.15,75.15 27.25,75.15 27.25,-24.85 -36.15,-24.85 -36.15,-6.35 -37.15,-5.35 -37.15,1.95 -37.15,30.858 -37.15,38.088 -37.15,53.488 -37.15,60.588
Mechanical4:
  lines w0.05: -38.694,-39.088 -38.694,78.444
  lines w0.1: -48.791,-23.741 -48.791,63.491

## Text inside footprints (layer, text, board x,y; h text height)
IC2: Mechanical14 "1" at 13.1,-10.75 h0.4 r270; Mechanical14 "2" at 13.1,-11.95 h0.4 r270; Mechanical14 "3" at 13.1,-13.21 h0.4 r270; Mechanical14 "4" at 13.1,-14.47 h0.4 r270; Mechanical14 "5" at 13.1,-15.75 h0.4 r270; Mechanical14 "E" at 6.86,-9.55 h0.4 r270; Mechanical14 "D" at 8.13,-9.55 h0.4 r270; Mechanical14 "C" at 9.4,-9.55 h0.4 r270; Mechanical14 "B" at 10.67,-9.55 h0.4 r270; Mechanical14 "A" at 11.94,-9.55 h0.4 r270
J10: TopOverlay "30" at 25.768,-8.494 h1.02 r270; Mechanical14 "30" at 25.768,-8.494 h1.02 r270